# Altium PCB PCB1.PcbDoc (part 1 of 4) (continued)
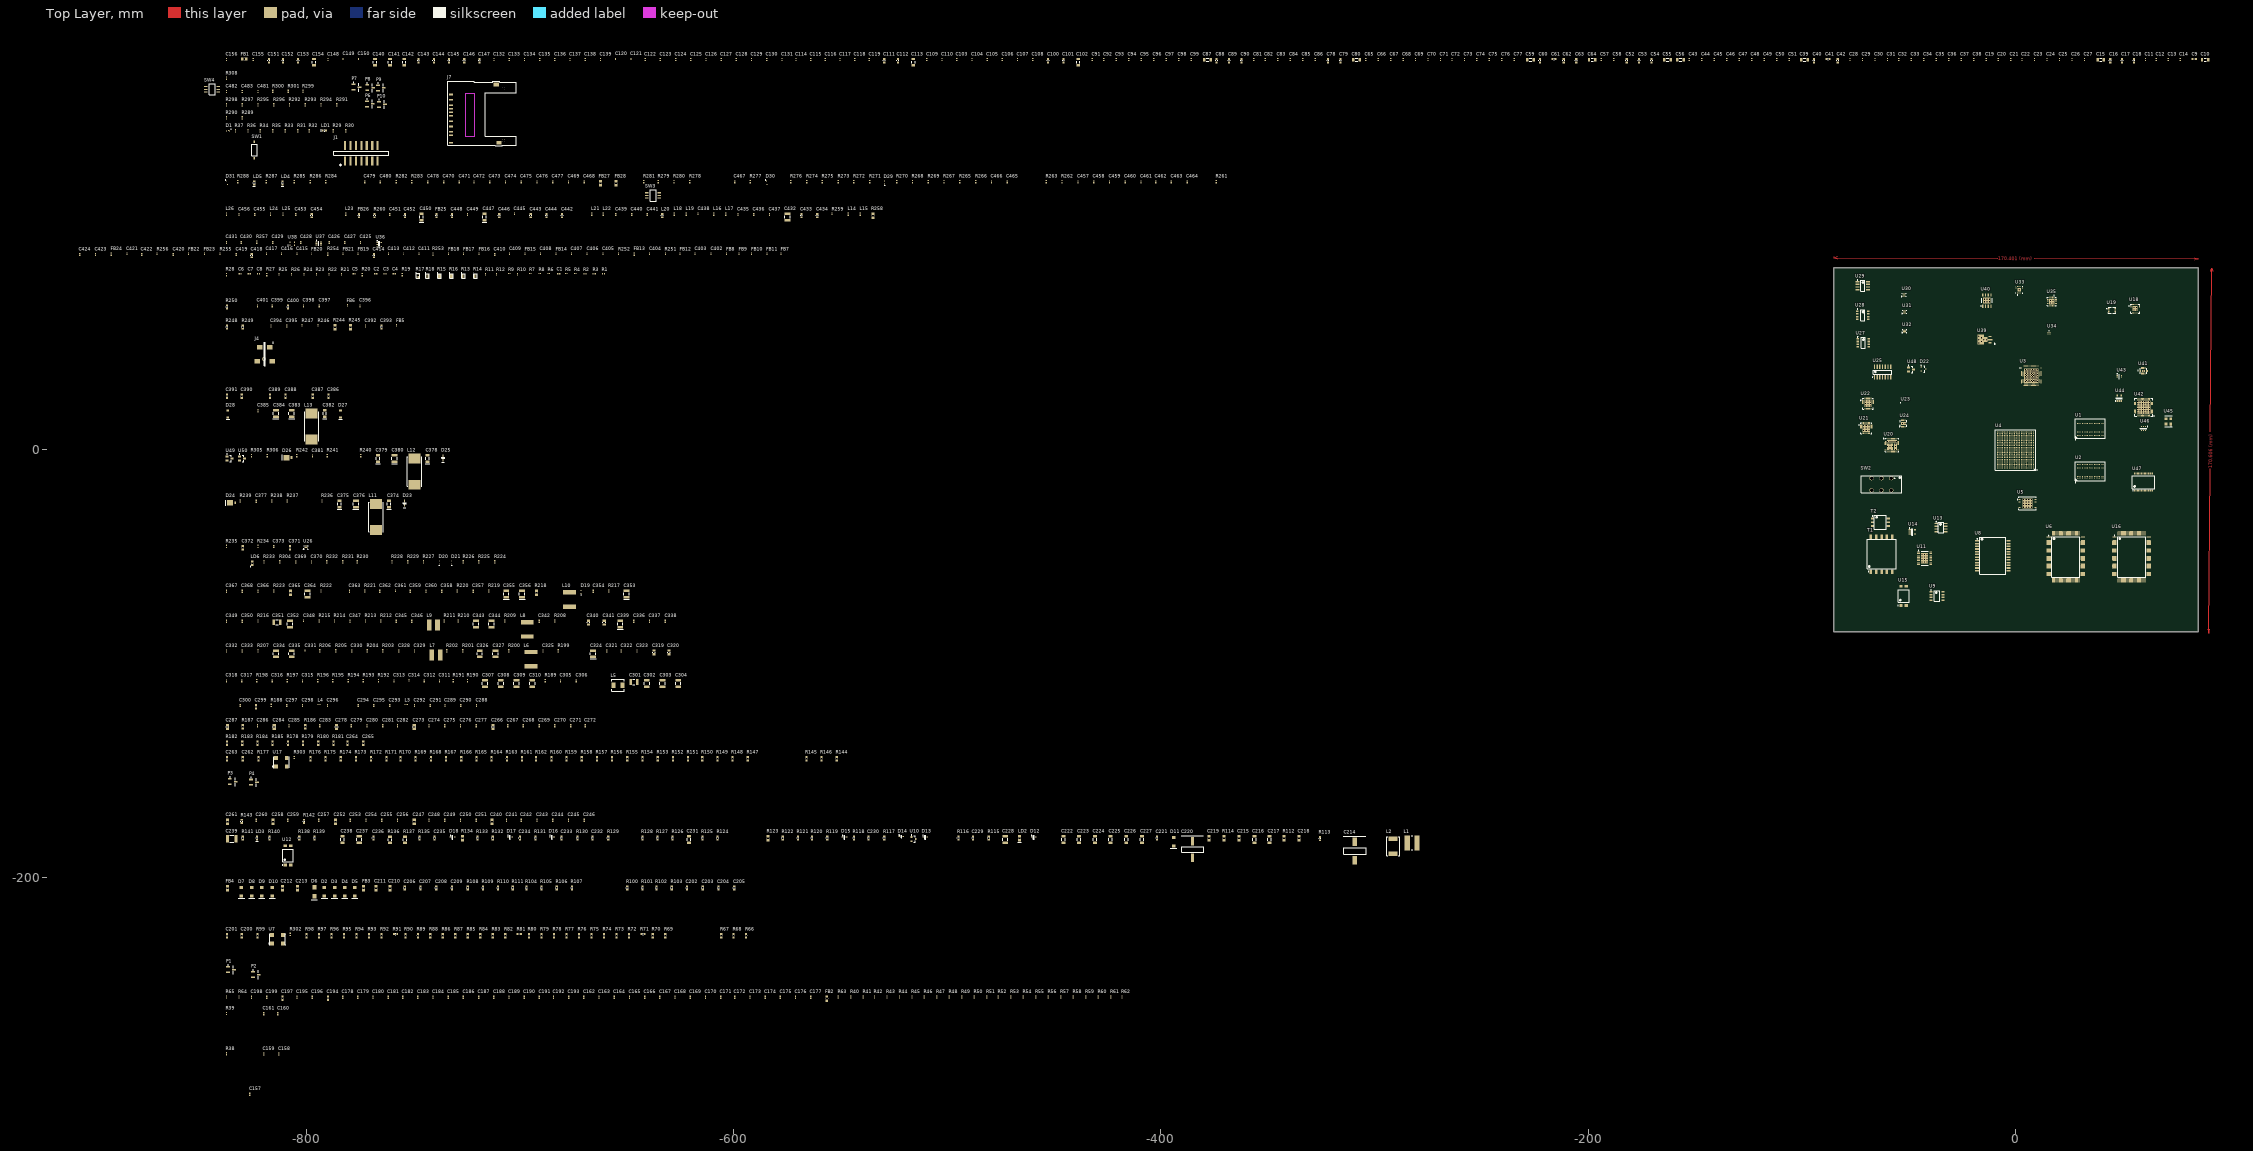
[diagram p0: Top Layer view]
## Components (designator, comment, footprint, x,y, rotation, side; value= is the part's Value field where it differs from the comment) (continued)
C55 "CAP_1206" CAPC1206(3216)100_N -162.875,182.623 r0 top
C56 "CAP_1206" CAPC1206(3216)100_N -156.779,182.623 r0 top
C57 "CAP_0402" CAPC0402(1005)60_N -193.863,182.75 r90 top
C58 "CAP_0402" CAPC0402(1005)60_N -188.021,182.75 r90 top
C59 "CAP_1206" CAPC1206(3216)100_N -227.01,182.623 r0 top
C60 "CAP_0603" CAPC0603(1608)100_N -222.565,182.242 r90 top
C61 "CAP_0603" CAPC0603(1608)100_N -215.961,183.004 r0 top
C62 "CAP_0603" CAPC0603(1608)100_N -211.389,182.242 r90 top
C63 "CAP_0603" CAPC0603(1608)100_N -205.547,182.242 r90 top
C64 "CAP_1206" CAPC1206(3216)100_N -198.054,182.623 r0 top
C65 "CAP_0402" CAPC0402(1005)60_N -304.099,182.75 r90 top
C66 "CAP_0402" CAPC0402(1005)60_N -298.257,182.75 r90 top
C67 "CAP_0402" CAPC0402(1005)60_N -292.415,182.75 r90 top
C68 "CAP_0402" CAPC0402(1005)60_N -286.573,182.75 r90 top
C69 "CAP_0402" CAPC0402(1005)60_N -280.731,182.75 r90 top
C70 "CAP_0402" CAPC0402(1005)60_N -274.889,182.75 r90 top
C71 "CAP_0402" CAPC0402(1005)60_N -269.047,182.75 r90 top
C72 "CAP_0402" CAPC0402(1005)60_N -263.713,182.75 r90 top
C73 "CAP_0402" CAPC0402(1005)60_N -257.871,182.75 r90 top
C74 "CAP_0402" CAPC0402(1005)60_N -252.029,182.75 r90 top
C75 "CAP_0402" CAPC0402(1005)60_N -246.187,182.75 r90 top
C76 "CAP_0402" CAPC0402(1005)60_N -240.345,182.75 r90 top
C77 "CAP_0402" CAPC0402(1005)60_N -234.503,182.75 r90 top
C78 "CAP_0603" CAPC0603(1608)100_N -321.752,182.242 r90 top
C79 "CAP_0603" CAPC0603(1608)100_N -315.91,182.242 r90 top
C80 "CAP_1206" CAPC1206(3216)100_N -308.417,182.623 r0 top
C81 "CAP_0402" CAPC0402(1005)60_N -356.423,182.75 r90 top
C82 "CAP_0402" CAPC0402(1005)60_N -351.089,182.75 r90 top
C83 "CAP_0402" CAPC0402(1005)60_N -345.247,182.75 r90 top
C84 "CAP_0402" CAPC0402(1005)60_N -339.405,182.75 r90 top
C85 "CAP_0402" CAPC0402(1005)60_N -333.563,182.75 r90 top
C86 "CAP_0402" CAPC0402(1005)60_N -327.721,182.75 r90 top
C87 "CAP_1206" CAPC1206(3216)100_N -378.14,182.623 r0 top
C88 "CAP_0603" CAPC0603(1608)100_N -373.822,182.242 r90 top
C89 "CAP_0603" CAPC0603(1608)100_N -367.98,182.242 r90 top
C90 "CAP_0603" CAPC0603(1608)100_N -362.138,182.242 r90 top
C91 "CAP_0402" CAPC0402(1005)60_N -431.988,182.75 r90 top
C92 "CAP_0402" CAPC0402(1005)60_N -426.654,182.75 r90 top
C93 "CAP_0402" CAPC0402(1005)60_N -420.812,182.75 r90 top
C94 "CAP_0402" CAPC0402(1005)60_N -414.97,182.75 r90 top
C95 "CAP_0402" CAPC0402(1005)60_N -409.128,182.75 r90 top
C96 "CAP_0402" CAPC0402(1005)60_N -403.286,182.75 r90 top
C97 "CAP_0402" CAPC0402(1005)60_N -397.444,182.75 r90 top
C98 "CAP_0402" CAPC0402(1005)60_N -391.602,182.75 r90 top
C99 "CAP_0402" CAPC0402(1005)60_N -385.76,182.75 r90 top
C100 "CAP_0603" CAPC0603(1608)100_N -452.689,182.242 r90 top
C101 "CAP_0603" CAPC0603(1608)100_N -445.577,182.242 r90 top
C102 "CAP_1206" CAPC1206(3216)100_N -438.592,181.48 r90 top
C103 "CAP_0402" CAPC0402(1005)60_N -495.488,182.75 r90 top
C104 "CAP_0402" CAPC0402(1005)60_N -488.376,182.75 r90 top
C105 "CAP_0402" CAPC0402(1005)60_N -481.264,182.75 r90 top
C106 "CAP_0402" CAPC0402(1005)60_N -474.152,182.75 r90 top
C107 "CAP_0402" CAPC0402(1005)60_N -467.04,182.75 r90 top
C108 "CAP_0402" CAPC0402(1005)60_N -459.928,182.75 r90 top
C109 "CAP_0402" CAPC0402(1005)60_N -509.458,182.75 r90 top
C110 "CAP_0402" CAPC0402(1005)60_N -502.346,182.75 r90 top
C111 "CAP_0603" CAPC0603(1608)100_N -529.397,182.242 r90 top
C112 "CAP_0603" CAPC0603(1608)100_N -523.047,182.242 r90 top
C113 "CAP_1206" CAPC1206(3216)100_N -515.808,181.48 r90 top
C114 "CAP_0402" CAPC0402(1005)60_N -570.672,182.75 r90 top
C115 "CAP_0402" CAPC0402(1005)60_N -563.814,182.75 r90 top
C116 "CAP_0402" CAPC0402(1005)60_N -556.956,182.75 r90 top
C117 "CAP_0402" CAPC0402(1005)60_N -550.098,182.75 r90 top
C118 "CAP_0402" CAPC0402(1005)60_N -543.24,182.75 r90 top
C119 "CAP_0402" CAPC0402(1005)60_N -536.382,182.75 r90 top
C120 "CAP_0402" CAPC0201(0603)33_N -655.127,183.004 r90 top
C121 "CAP_0402" CAPC0201(0603)33_N -648.015,183.004 r90 top
C122 "CAP_0402" CAPC0402(1005)60_N -641.284,182.75 r90 top
C123 "CAP_0402" CAPC0402(1005)60_N -634.172,182.75 r90 top
C124 "CAP_0402" CAPC0402(1005)60_N -627.06,182.75 r90 top
C125 "CAP_0402" CAPC0402(1005)60_N -619.948,182.75 r90 top
C126 "CAP_0402" CAPC0402(1005)60_N -612.836,182.75 r90 top
C127 "CAP_0402" CAPC0402(1005)60_N -605.724,182.75 r90 top
C128 "CAP_0402" CAPC0402(1005)60_N -598.612,182.75 r90 top
C129 "CAP_0402" CAPC0402(1005)60_N -591.5,182.75 r90 top
C130 "CAP_0402" CAPC0402(1005)60_N -584.388,182.75 r90 top
C131 "CAP_0402" CAPC0402(1005)60_N -577.276,182.75 r90 top
C132 "CAP_0402" CAPC0402(1005)60_N -712.023,182.75 r90 top
C133 "CAP_0402" CAPC0402(1005)60_N -704.911,182.75 r90 top
C134 "CAP_0402" CAPC0402(1005)60_N -697.799,182.75 r90 top
C135 "CAP_0402" CAPC0402(1005)60_N -690.687,182.75 r90 top
C136 "CAP_0402" CAPC0402(1005)60_N -683.575,182.75 r90 top
C137 "CAP_0402" CAPC0402(1005)60_N -676.463,182.75 r90 top
C138 "CAP_0402" CAPC0402(1005)60_N -669.351,182.75 r90 top
C139 "CAP_0402" CAPC0402(1005)60_N -662.239,182.75 r90 top
C140 "CAP_1206" CAPC1206(3216)100_N -767.776,181.48 r90 top
C141 "CAP_1206" CAPC1206(3216)100_N -760.664,181.48 r90 top
C142 "CAP_1206" CAPC1206(3216)100_N -754.06,181.48 r90 top
C143 "CAP_0603" CAPC0603(1608)100_N -747.329,182.242 r90 top
C144 "CAP_0603" CAPC0603(1608)100_N -740.217,182.242 r90 top
C145 "CAP_0603" CAPC0603(1608)100_N -733.105,182.242 r90 top
C146 "CAP_0603" CAPC0603(1608)100_N -725.993,182.242 r90 top
C147 "CAP_0603" CAPC0603(1608)100_N -718.881,182.242 r90 top
C148 "CAP_0402" CAPC0402(1005)60_N -789.747,182.75 r90 top
C149 "CAP_0402" CAPC0201(0603)33_N -782.635,183.004 r90 top
C150 "CAP_0402" CAPC0201(0603)33_N -775.523,183.004 r90 top
C151 "CAP_0603" CAPC0603(1608)100_N -817.433,182.242 r90 top
C152 "CAP_0603" CAPC0603(1608)100_N -810.829,182.242 r90 top
C153 "CAP_0603" CAPC0603(1608)100_N -803.717,182.242 r90 top
C154 "CAP_1206" CAPC1206(3216)100_N -796.224,181.48 r90 top
C155 "CAP_0402" CAPC0402(1005)60_N -824.799,182.75 r90 top
C156 "CAP_0603" CAPC0402(1005)60_N -837.245,182.75 r90 top
C157 "CAP_0402" CAPC0402(1005)60_N -826.323,-301.501 r90 top
C158 "CAP_0402" CAPC0402(1005)60_N -812.734,-282.705 r90 top
C159 "CAP_0402" CAPC0402(1005)60_N -819.846,-282.705 r90 top
C160 "CAP_0402" CAPC0402(1005)60_N -813.242,-263.909 r90 top
C161 "CAP_0402" CAPC0402(1005)60_N -819.846,-263.909 r90 top
C162 "CAP_0402" CAPC0402(1005)60_N -669.986,-256.162 r90 top
C163 "CAP_0402" CAPC0402(1005)60_N -662.874,-256.162 r90 top
C164 "CAP_0402" CAPC0402(1005)60_N -655.762,-256.162 r90 top
C165 "CAP_0402" CAPC0402(1005)60_N -648.65,-256.162 r90 top
C166 "CAP_0402" CAPC0402(1005)60_N -641.538,-256.162 r90 top
C167 "CAP_0402" CAPC0402(1005)60_N -634.426,-256.162 r90 top
C168 "CAP_0402" CAPC0402(1005)60_N -627.314,-256.162 r90 top
C169 "CAP_0402" CAPC0402(1005)60_N -620.202,-256.162 r90 top
C170 "CAP_0402" CAPC0402(1005)60_N -613.09,-256.162 r90 top
C171 "CAP_0402" CAPC0402(1005)60_N -605.978,-256.162 r90 top
C172 "CAP_0402" CAPC0402(1005)60_N -599.374,-256.162 r90 top
C173 "CAP_0402" CAPC0402(1005)60_N -592.262,-256.162 r90 top
C174 "CAP_0402" CAPC0402(1005)60_N -585.15,-256.162 r90 top
C175 "CAP_0402" CAPC0402(1005)60_N -578.038,-256.162 r90 top
C176 "CAP_0402" CAPC0402(1005)60_N -570.926,-256.162 r90 top
C177 "CAP_0402" CAPC0402(1005)60_N -563.814,-256.162 r90 top
C178 "CAP_0402" CAPC0402(1005)60_N -782.889,-256.162 r90 top
C179 "CAP_0402" CAPC0402(1005)60_N -775.777,-256.162 r90 top
C180 "CAP_0402" CAPC0402(1005)60_N -768.665,-256.162 r90 top
C181 "CAP_0402" CAPC0402(1005)60_N -761.553,-256.162 r90 top
C182 "CAP_0402" CAPC0402(1005)60_N -754.822,-256.162 r90 top
C183 "CAP_0402" CAPC0402(1005)60_N -747.71,-256.162 r90 top
C184 "CAP_0402" CAPC0402(1005)60_N -740.598,-256.162 r90 top
C185 "CAP_0402" CAPC0402(1005)60_N -733.486,-256.162 r90 top
C186 "CAP_0402" CAPC0402(1005)60_N -726.374,-256.162 r90 top
C187 "CAP_0402" CAPC0402(1005)60_N -719.262,-256.162 r90 top
C188 "CAP_0402" CAPC0402(1005)60_N -712.15,-256.162 r90 top
C189 "CAP_0402" CAPC0402(1005)60_N -705.038,-256.162 r90 top
C190 "CAP_0402" CAPC0402(1005)60_N -697.926,-256.162 r90 top
C191 "CAP_0402" CAPC0402(1005)60_N -690.814,-256.162 r90 top
C192 "CAP_0402" CAPC0402(1005)60_N -684.21,-256.162 r90 top
C193 "CAP_0402" CAPC0402(1005)60_N -677.098,-256.162 r90 top
C194 "CAP_0603" CAPC0603(1608)100_N -789.747,-256.67 r90 top
C195 "CAP_0402" CAPC0402(1005)60_N -804.225,-256.162 r90 top
C196 "CAP_0402" CAPC0402(1005)60_N -797.113,-256.162 r90 top
C197 "CAP_0603" CAPC0603(1608)100_N -811.083,-256.67 r90 top
C198 "CAP_0402" CAPC0402(1005)60_N -825.561,-256.162 r90 top
C199 "CAP_0402" CAPC0402(1005)60_N -818.449,-256.162 r90 top
C200 "CAP_0603" CAPC0603(1608)100_N -830.133,-227.333 r90 top
C201 "CAP_0603" CAPC0603(1608)100_N -836.991,-227.333 r90 top
C202 "CAP_0603" CAPC0603(1608)100_N -621.726,-204.981 r90 top
C203 "CAP_0603" CAPC0603(1608)100_N -614.36,-204.981 r90 top
C204 "CAP_0603" CAPC0603(1608)100_N -606.994,-204.981 r90 top
C205 "CAP_0603" CAPC0603(1608)100_N -599.628,-204.981 r90 top
C206 "CAP_0603" CAPC0603(1608)100_N -753.806,-204.981 r90 top
C207 "CAP_0603" CAPC0603(1608)100_N -746.44,-204.981 r90 top
C208 "CAP_0603" CAPC0603(1608)100_N -739.074,-204.981 r90 top
C209 "CAP_0603" CAPC0603(1608)100_N -731.708,-204.981 r90 top
C210 "CAP_0805" CAPC0805(2012)75_N -760.664,-205.108 r90 top
C211 "CAP_0805" CAPC0805(2012)75_N -767.268,-205.108 r90 top
C212 "CAP_0805" CAPC0805(2012)75_N -811.083,-205.108 r90 top
C213 "CAP_0805" CAPC0805(2012)75_N -803.971,-205.108 r90 top
C214 "Cap Pol1" CapPol_Al_EEE-2AA330P -309.15,-187.675 r90 top
C215 "CAP_0805" CAPC0805(2012)75_N -363.408,-181.74 r90 top
C216 "CAP_1206" CAPC1206(3216)100_N -356.169,-182.375 r90 top
C217 "CAP_1206" CAPC1206(3216)100_N -349.057,-182.375 r90 top
C218 "CAP_0805" CAPC0805(2012)75_N -335.214,-181.74 r90 top
C219 "CAP_0805" CAPC0805(2012)75_N -377.378,-181.74 r90 top
C220 "Cap Pol1" CapPol_Al_PCV1D331MCL2GS -385.125,-186.947 r90 top
C221 "CAP_0603" CAPC0603(1608)100_N -401.762,-181.613 r90 top
C222 "CAP_1206" CAPC1206(3216)100_N -445.577,-182.375 r90 top
C223 "CAP_1206" CAPC1206(3216)100_N -438.211,-182.375 r90 top
C224 "CAP_1206" CAPC1206(3216)100_N -430.845,-182.375 r90 top
C225 "CAP_1206" CAPC1206(3216)100_N -423.479,-182.375 r90 top
C226 "CAP_1206" CAPC1206(3216)100_N -416.113,-182.375 r90 top
C227 "CAP_1206" CAPC1206(3216)100_N -408.747,-182.375 r90 top
C228 "CAP_1210" CAPC1210(3225)100_N -472.755,-182.375 r90 top
C229 "CAP_0603" CAPC0603(1608)100_N -487.868,-181.613 r90 top
C230 "CAP_0603" CAPC0603(1608)100_N -536.763,-181.613 r90 top
C231 "CAP_1206" CAPC1206(3216)100_N -620.837,-182.375 r90 top
C232 "CAP_0603" CAPC0603(1608)100_N -665.922,-181.613 r90 top
C233 "CAP_0603" CAPC0603(1608)100_N -680.4,-181.613 r90 top
C234 "CAP_0603" CAPC0603(1608)100_N -699.958,-181.613 r90 top
C235 "CAP_0603" CAPC0603(1608)100_N -739.836,-181.613 r90 top
C236 "CAP_0603" CAPC0603(1608)100_N -768.538,-181.613 r90 top
C237 "CAP_1210" CAPC1210(3225)100_N -775.142,-182.375 r90 top
C238 "CAP_1206" CAPC1206(3216)100_N -782.889,-182.375 r90 top
C239 "CAP_1812" CAPC1812(4532)250_N -834.832,-181.994 r0 top
C240 "CAP_0805" CAPC0805(2012)75_N -713.039,-173.993 r90 top
C241 "CAP_0402" CAPC0402(1005)60_N -706.181,-173.358 r90 top
C242 "CAP_0402" CAPC0402(1005)60_N -699.323,-173.358 r90 top
C243 "CAP_0402" CAPC0402(1005)60_N -691.957,-173.358 r90 top
C244 "CAP_0402" CAPC0402(1005)60_N -684.591,-173.358 r90 top
C245 "CAP_0402" CAPC0402(1005)60_N -677.225,-173.358 r90 top
C246 "CAP_0402" CAPC0402(1005)60_N -669.859,-173.358 r90 top
C247 "CAP_0805" CAPC0805(2012)75_N -749.361,-173.993 r90 top
C248 "CAP_0402" CAPC0402(1005)60_N -742.503,-173.358 r90 top
C249 "CAP_0402" CAPC0402(1005)60_N -735.137,-173.358 r90 top
C250 "CAP_0402" CAPC0402(1005)60_N -727.771,-173.358 r90 top
C251 "CAP_0402" CAPC0402(1005)60_N -720.405,-173.358 r90 top
C252 "CAP_0805" CAPC0805(2012)75_N -786.191,-173.993 r90 top
C253 "CAP_0402" CAPC0402(1005)60_N -779.333,-173.358 r90 top
C254 "CAP_0402" CAPC0402(1005)60_N -771.967,-173.358 r90 top
C255 "CAP_0402" CAPC0402(1005)60_N -764.601,-173.358 r90 top
C256 "CAP_0402" CAPC0402(1005)60_N -757.235,-173.358 r90 top
C257 "CAP_0402" CAPC0402(1005)60_N -794.065,-173.358 r90 top
C258 "CAP_0805" CAPC0805(2012)75_N -815.401,-173.993 r90 top
C259 "CAP_0402" CAPC0402(1005)60_N -808.543,-173.358 r90 top
C260 "CAP_0402" CAPC0402(1005)60_N -823.275,-173.358 r90 top
C261 "CAP_0805" CAPC0805(2012)75_N -836.737,-173.993 r90 top
C262 "CAP_0603" CAPC0603(1608)100_N -829.625,-144.529 r90 top
C263 "CAP_0603" CAPC0603(1608)100_N -836.991,-144.529 r90 top
C264 "CAP_0603" CAPC0603(1608)100_N -780.603,-137.29 r90 top
C265 "CAP_0603" CAPC0603(1608)100_N -773.237,-137.29 r90 top
C266 "CAP_0805" CAPC0805(2012)75_N -712.531,-129.67 r90 top
C267 "CAP_0402" CAPC0402(1005)60_N -705.673,-129.035 r90 top
C268 "CAP_0402" CAPC0402(1005)60_N -698.307,-129.035 r90 top
C269 "CAP_0402" CAPC0402(1005)60_N -690.941,-129.035 r90 top
C270 "CAP_0402" CAPC0402(1005)60_N -683.575,-129.035 r90 top
C271 "CAP_0402" CAPC0402(1005)60_N -676.209,-129.035 r90 top
C272 "CAP_0402" CAPC0402(1005)60_N -669.351,-129.035 r90 top
C273 "CAP_0805" CAPC0805(2012)75_N -749.361,-129.67 r90 top
C274 "CAP_0402" CAPC0402(1005)60_N -742.503,-129.035 r90 top
C275 "CAP_0402" CAPC0402(1005)60_N -735.137,-129.035 r90 top
C276 "CAP_0402" CAPC0402(1005)60_N -727.771,-129.035 r90 top
C277 "CAP_0402" CAPC0402(1005)60_N -720.405,-129.035 r90 top
C278 "CAP_0805" CAPC0805(2012)75_N -785.683,-129.67 r90 top
C279 "CAP_0402" CAPC0402(1005)60_N -778.825,-129.035 r90 top
C280 "CAP_0402" CAPC0402(1005)60_N -771.459,-129.035 r90 top
C281 "CAP_0402" CAPC0402(1005)60_N -764.093,-129.035 r90 top
C282 "CAP_0402" CAPC0402(1005)60_N -757.235,-129.035 r90 top
C283 "CAP_0402" CAPC0402(1005)60_N -793.557,-129.035 r90 top
C284 "CAP_0805" CAPC0805(2012)75_N -814.893,-129.67 r90 top
C285 "CAP_0402" CAPC0402(1005)60_N -808.035,-129.035 r90 top
C286 "CAP_0402" CAPC0402(1005)60_N -822.767,-129.035 r90 top
C287 "CAP_0805" CAPC0805(2012)75_N -836.737,-129.67 r90 top
C288 "CAP_0402" CAPC0402(1005)60_N -720.278,-119.637 r90 top
C289 "CAP_0402" CAPC0402(1005)60_N -735.01,-119.637 r90 top
C290 "CAP_0402" CAPC0402(1005)60_N -727.644,-119.637 r90 top
C291 "CAP_0402" CAPC0402(1005)60_N -741.868,-119.637 r90 top
C292 "CAP_0402" CAPC0402(1005)60_N -749.234,-119.637 r90 top
C293 "CAP_0402" CAPC0402(1005)60_N -760.918,-119.637 r90 top
C294 "CAP_0402" CAPC0402(1005)60_N -775.65,-119.637 r90 top
C295 "CAP_0402" CAPC0402(1005)60_N -768.284,-119.637 r90 top
C296 "CAP_0402" CAPC0402(1005)60_N -790.001,-119.637 r90 top
C297 "CAP_0402" CAPC0402(1005)60_N -809.051,-119.637 r90 top
C298 "CAP_0402" CAPC0402(1005)60_N -801.685,-119.637 r90 top
C299 "CAP_0603" CAPC0603(1608)100_N -823.402,-120.145 r90 top
C300 "CAP_0402" CAPC0402(1005)60_N -830.895,-119.637 r90 top
C301 "CAP_1210" CAPC1210(3225)100_N -646.618,-108.588 r0 top
C302 "CAP_1210" CAPC1210(3225)100_N -640.522,-109.35 r90 top
C303 "CAP_1210" CAPC1210(3225)100_N -633.156,-109.35 r90 top
C304 "CAP_1210" CAPC1210(3225)100_N -625.79,-109.35 r90 top
C305 "CAP_0402" CAPC0402(1005)60_N -680.908,-108.08 r90 top
C306 "CAP_0402" CAPC0402(1005)60_N -673.542,-108.08 r90 top
C307 "CAP_1210" CAPC1210(3225)100_N -716.214,-109.35 r90 top
C308 "CAP_1210" CAPC1210(3225)100_N -708.848,-109.35 r90 top
C309 "CAP_1210" CAPC1210(3225)100_N -701.482,-109.35 r90 top
C310 "CAP_1210" CAPC1210(3225)100_N -694.116,-109.35 r90 top
C311 "CAP_0402" CAPC0402(1005)60_N -737.55,-108.08 r90 top
C312 "CAP_0402" CAPC0402(1005)60_N -744.662,-108.08 r90 top
C313 "CAP_0402" CAPC0402(1005)60_N -758.886,-108.08 r90 top
C314 "CAP_0201" CAPC0201(0603)33_N -751.901,-107.826 r90 top
C315 "CAP_0402" CAPC0402(1005)60_N -801.685,-108.08 r90 top
C316 "CAP_0402" CAPC0402(1005)60_N -815.909,-108.08 r90 top
C317 "CAP_0402" CAPC0402(1005)60_N -830.133,-108.08 r90 top
C318 "CAP_0402" CAPC0402(1005)60_N -837.245,-108.08 r90 top
C319 "CAP_0805" CAPC0805(2012)75_N -637.22,-94.745 r90 top
C320 "CAP_0805" CAPC0805(2012)75_N -630.108,-94.745 r90 top
C321 "CAP_0402" CAPC0402(1005)60_N -659.318,-94.11 r90 top
C322 "CAP_0402" CAPC0402(1005)60_N -652.46,-94.11 r90 top
C323 "CAP_0402" CAPC0402(1005)60_N -645.094,-94.11 r90 top
C324 "Cap Pol1" Polarized_CAPC1210(3225) -665.668,-95.38 r90 top
C325 "CAP_0402" CAPC0402(1005)60_N -689.163,-94.11 r90 top
C326 "CAP_1210" CAPC1210(3225)100_N -718.754,-95.38 r90 top
C327 "CAP_1210" CAPC1210(3225)100_N -711.388,-95.38 r90 top
C328 "CAP_0402" CAPC0402(1005)60_N -756.6,-94.11 r90 top
C329 "CAP_0402" CAPC0402(1005)60_N -749.234,-94.11 r90 top
C330 "CAP_0402" CAPC0402(1005)60_N -778.698,-94.11 r90 top
C331 "CAP_0201" CAPC0201(0603)33_N -800.415,-93.856 r90 top
C332 "CAP_0402" CAPC0402(1005)60_N -837.245,-94.11 r90 top
C333 "CAP_0402" CAPC0402(1005)60_N -829.879,-94.11 r90 top
C334 "CAP_1210" CAPC1210(3225)100_N -814.131,-95.38 r90 top
C335 "CAP_1210" CAPC1210(3225)100_N -806.765,-95.38 r90 top
C336 "CAP_0402" CAPC0402(1005)60_N -646.618,-80.14 r90 top
C337 "CAP_0402" CAPC0402(1005)60_N -639.252,-80.14 r90 top
C338 "CAP_0402" CAPC0402(1005)60_N -631.886,-80.14 r90 top
C339 "Cap Pol1" Polarized_CAPC1210(3225) -652.968,-81.41 r90 top
C340 "CAP_0805" CAPC0805(2012)75_N -667.827,-80.775 r90 top
C341 "CAP_0805" CAPC0805(2012)75_N -660.461,-80.775 r90 top
C342 "CAP_0402" CAPC0402(1005)60_N -690.941,-80.14 r90 top
C343 "CAP_1210" CAPC1210(3225)100_N -720.532,-81.41 r90 top
C344 "CAP_1210" CAPC1210(3225)100_N -713.166,-81.41 r90 top
C345 "CAP_0402" CAPC0402(1005)60_N -757.87,-80.14 r90 top
C346 "CAP_0402" CAPC0402(1005)60_N -750.504,-80.14 r90 top
C347 "CAP_0402" CAPC0402(1005)60_N -779.46,-80.14 r90 top
C348 "CAP_0201" CAPC0201(0603)33_N -801.177,-79.886 r90 top
C349 "CAP_0402" CAPC0402(1005)60_N -837.245,-80.14 r90 top
C350 "CAP_0402" CAPC0402(1005)60_N -829.879,-80.14 r90 top
C351 "CAP_1210" CAPC1210(3225)100_N -813.623,-80.648 r0 top
C352 "CAP_1210" CAPC1210(3225)100_N -807.527,-81.41 r90 top
C353 "Cap Pol1" Polarized_CAPC1210(3225) -650.047,-67.44 r90 top
C354 "CAP_0402" CAPC0402(1005)60_N -665.541,-66.17 r90 top
C355 "Cap Pol1" Polarized_CAPC1210(3225) -706.308,-67.44 r90 top
C356 "Cap Pol1" Polarized_CAPC1210(3225) -698.942,-67.44 r90 top
C357 "CAP_0402" CAPC0402(1005)60_N -721.802,-66.17 r90 top
C358 "CAP_0402" CAPC0402(1005)60_N -736.534,-66.17 r90 top
C359 "CAP_0402" CAPC0402(1005)60_N -751.266,-66.17 r90 top
C360 "CAP_0402" CAPC0402(1005)60_N -743.9,-66.17 r90 top
C361 "CAP_0201" CAPC0201(0603)33_N -758.251,-65.916 r90 top
C362 "CAP_0402" CAPC0402(1005)60_N -765.49,-66.17 r90 top
C363 "CAP_0402" CAPC0402(1005)60_N -779.714,-66.17 r90 top
C364 "CAP_1210" CAPC1210(3225)100_N -799.399,-67.44 r90 top
C365 "CAP_0805" CAPC0805(2012)75_N -807.273,-66.805 r90 top
C366 "CAP_0402" CAPC0402(1005)60_N -822.513,-66.17 r90 top
C367 "CAP_0402" CAPC0402(1005)60_N -837.245,-66.17 r90 top
C368 "CAP_0402" CAPC0402(1005)60_N -829.879,-66.17 r90 top
C369 "CAP_0402" CAPC0402(1005)60_N -804.86,-52.454 r90 top
C370 "CAP_0402" CAPC0402(1005)60_N -797.494,-52.454 r90 top
C371 "CAP_0603" CAPC0603(1608)100_N -807.527,-45.723 r90 top
C372 "CAP_0603" CAPC0603(1608)100_N -829.625,-45.723 r90 top
C373 "CAP_0402" CAPC0402(1005)60_N -815.147,-45.215 r90 top
C374 "Cap Pol1" Polarized_CAPC1206(3216) -761.172,-25.276 r90 top
C375 "Cap Pol1" Polarized_CAPC1206(3216) -784.413,-25.276 r90 top
C376 "Cap Pol1" Polarized_CAPC1210(3225) -776.666,-25.276 r90 top
C377 "CAP_0402" CAPC0402(1005)60_N -823.402,-24.006 r90 top
C378 "Cap Pol1" Polarized_CAPC1206(3216) -743.138,-4.067 r90 top
C379 "Cap Pol1" Polarized_CAPC1206(3216) -766.379,-4.067 r90 top
C380 "Cap Pol1" Polarized_CAPC1210(3225) -758.632,-4.067 r90 top
C381 "CAP_0402" CAPC0402(1005)60_N -796.986,-2.797 r90 top
C382 "Cap Pol1" Polarized_CAPC1206(3216) -791.271,17.142 r90 top
C383 "Cap Pol1" Polarized_CAPC1210(3225) -806.765,17.142 r90 top
C384 "Cap Pol1" Polarized_CAPC1210(3225) -814.131,17.142 r90 top
C385 "CAP_0402" CAPC0402(1005)60_N -822.513,18.412 r90 top
C386 "CAP_0603" CAPC0603(1608)100_N -789.493,25.143 r90 top
C387 "CAP_0603" CAPC0603(1608)100_N -796.859,25.143 r90 top
C388 "CAP_0603" CAPC0603(1608)100_N -809.559,25.143 r90 top
C389 "CAP_0603" CAPC0603(1608)100_N -816.925,25.143 r90 top
C390 "CAP_0603" CAPC0603(1608)100_N -830.133,25.143 r90 top
C391 "CAP_0603" CAPC0603(1608)100_N -836.991,25.143 r90 top
C392 "CAP_0402" CAPC0402(1005)60_N -772.221,58.036 r90 top
C393 "CAP_0603" CAPC0603(1608)100_N -764.728,57.528 r90 top
C394 "CAP_0402" CAPC0402(1005)60_N -816.417,58.036 r90 top
C395 "CAP_0402" CAPC0402(1005)60_N -809.051,58.036 r90 top
C396 "CAP_0402" CAPC0402(1005)60_N -774.761,67.434 r90 top
C397 "CAP_0402" CAPC0402(1005)60_N -793.811,67.434 r90 top
C398 "CAP_0402" CAPC0402(1005)60_N -801.177,67.434 r90 top
C399 "CAP_0402" CAPC0402(1005)60_N -815.909,67.434 r90 top
C400 "CAP_0603" CAPC0603(1608)100_N -808.416,66.926 r90 top
C401 "CAP_0402" CAPC0402(1005)60_N -822.767,67.434 r90 top
C402 "CAP_0201" CAPC0201(0603)33_N -610.407,91.765 r90 top
C403 "CAP_0201" CAPC0201(0603)33_N -617.9,91.765 r90 top
C404 "CAP_0201" CAPC0201(0603)33_N -639.236,91.765 r90 top
C405 "CAP_0201" CAPC0201(0603)33_N -661.08,91.765 r90 top
C406 "CAP_0201" CAPC0201(0603)33_N -668.446,91.765 r90 top
C407 "CAP_0201" CAPC0201(0603)33_N -675.812,91.765 r90 top
C408 "CAP_0201" CAPC0201(0603)33_N -690.29,91.765 r90 top
C409 "CAP_0201" CAPC0201(0603)33_N -704.768,91.765 r90 top
C410 "CAP_0402" CAPC0402(1005)60_N -711.753,91.511 r90 top
C411 "CAP_0201" CAPC0201(0603)33_N -747.186,91.765 r90 top
C412 "CAP_0201" CAPC0201(0603)33_N -754.298,91.765 r90 top
C413 "CAP_0201" CAPC0201(0603)33_N -761.41,91.765 r90 top
C414 "CAP_0603" CAPC0603(1608)100_N -768.268,91.003 r90 top
C415 "CAP_0201" CAPC0201(0603)33_N -804.336,91.765 r90 top
C416 "CAP_0201" CAPC0201(0603)33_N -811.448,91.765 r90 top
C417 "CAP_0201" CAPC0201(0603)33_N -818.56,91.765 r90 top
C418 "CAP_0603" CAPC0603(1608)100_N -825.418,91.003 r90 top
C419 "CAP_0402" CAPC0402(1005)60_N -832.657,91.511 r90 top
C420 "CAP_0402" CAPC0402(1005)60_N -862.121,91.511 r90 top
C421 "CAP_0201" CAPC0201(0603)33_N -883.838,91.765 r90 top
C422 "CAP_0402" CAPC0402(1005)60_N -876.98,91.511 r90 top
C423 "CAP_0402" CAPC0402(1005)60_N -898.57,91.511 r90 top
C424 "CAP_0402" CAPC0402(1005)60_N -905.936,91.511 r90 top
C425 "CAP_0402" CAPC0402(1005)60_N -774.507,97.152 r90 top
C426 "CAP_0402" CAPC0402(1005)60_N -789.239,97.152 r90 top
C427 "CAP_0402" CAPC0402(1005)60_N -781.873,97.152 r90 top
C428 "CAP_0402" CAPC0402(1005)60_N -802.447,97.152 r90 top
C429 "CAP_0402" CAPC0402(1005)60_N -815.655,97.152 r90 top
C430 "CAP_0402" CAPC0402(1005)60_N -830.387,97.152 r90 top
C431 "CAP_0402" CAPC0402(1005)60_N -837.245,97.152 r90 top
C432 "CAP_1210" CAPC1210(3225)100_N -574.736,108.963 r90 top
C433 "CAP_0603" CAPC0603(1608)100_N -568.132,109.725 r90 top
C434 "CAP_0603" CAPC0603(1608)100_N -560.766,109.725 r90 top
C435 "CAP_0402" CAPC0402(1005)60_N -597.85,110.233 r90 top
C436 "CAP_0402" CAPC0402(1005)60_N -590.484,110.233 r90 top
C437 "CAP_0402" CAPC0402(1005)60_N -583.118,110.233 r90 top
C438 "CAP_0201" CAPC0201(0603)33_N -616.519,110.487 r90 top
C439 "CAP_0402" CAPC0402(1005)60_N -655,110.233 r90 top
C440 "CAP_0402" CAPC0402(1005)60_N -647.634,110.233 r90 top
C441 "CAP_0402" CAPC0402(1005)60_N -640.268,110.233 r90 top
C442 "CAP_0603" CAPC0603(1608)100_N -680.146,109.725 r90 top
C443 "CAP_0603" CAPC0603(1608)100_N -694.878,109.725 r90 top
C444 "CAP_0603" CAPC0603(1608)100_N -687.512,109.725 r90 top
C445 "CAP_0201" CAPC0201(0603)33_N -702.498,110.487 r90 top
C446 "CAP_0603" CAPC0603(1608)100_N -709.61,109.725 r90 top
C447 "Cap Pol1" Polarized_CAPC1206(3216) -716.468,108.963 r90 top
C448 "CAP_0603" CAPC0603(1608)100_N -731.708,109.725 r90 top
C449 "CAP_0402" CAPC0402(1005)60_N -724.469,110.233 r90 top
C450 "Cap Pol1" Polarized_CAPC1206(3216) -745.932,108.963 r90 top
C451 "CAP_0402" CAPC0402(1005)60_N -760.791,110.233 r90 top
C452 "CAP_0603" CAPC0603(1608)100_N -753.679,109.725 r90 top
C453 "CAP_0402" CAPC0402(1005)60_N -804.86,110.233 r90 top
C454 "CAP_0603" CAPC0603(1608)100_N -797.367,109.725 r90 top
C455 "CAP_0402" CAPC0402(1005)60_N -824.037,110.233 r90 top
C456 "CAP_0402" CAPC0402(1005)60_N -831.403,110.233 r90 top
C457 "CAP_0402" CAPC0402(1005)60_N -438.719,125.473 r90 top
C458 "CAP_0402" CAPC0402(1005)60_N -431.353,125.473 r90 top
C459 "CAP_0402" CAPC0402(1005)60_N -423.987,125.473 r90 top
C460 "CAP_0402" CAPC0402(1005)60_N -416.621,125.473 r90 top
C461 "CAP_0402" CAPC0402(1005)60_N -409.255,125.473 r90 top
C462 "CAP_0402" CAPC0402(1005)60_N -402.397,125.473 r90 top
C463 "CAP_0402" CAPC0402(1005)60_N -395.031,125.473 r90 top
C464 "CAP_0402" CAPC0402(1005)60_N -387.665,125.473 r90 top
C465 "CAP_0402" CAPC0402(1005)60_N -471.866,125.473 r90 top
C466 "CAP_0402" CAPC0402(1005)60_N -479.232,125.473 r90 top
C467 "CAP_0402" CAPC0402(1005)60_N -599.374,125.473 r90 top
C468 "CAP_0402" CAPC0402(1005)60_N -669.859,125.473 r90 top
C469 "CAP_0402" CAPC0402(1005)60_N -677.225,125.473 r90 top
C470 "CAP_0402" CAPC0402(1005)60_N -735.645,125.473 r90 top
C471 "CAP_0402" CAPC0402(1005)60_N -728.279,125.473 r90 top
C472 "CAP_0402" CAPC0402(1005)60_N -721.421,125.473 r90 top
C473 "CAP_0402" CAPC0402(1005)60_N -714.055,125.473 r90 top
C474 "CAP_0402" CAPC0402(1005)60_N -706.689,125.473 r90 top
C475 "CAP_0402" CAPC0402(1005)60_N -699.323,125.473 r90 top
C476 "CAP_0402" CAPC0402(1005)60_N -691.957,125.473 r90 top
C477 "CAP_0402" CAPC0402(1005)60_N -684.591,125.473 r90 top
C478 "CAP_0402" CAPC0402(1005)60_N -743.011,125.473 r90 top
C479 "CAP_0402" CAPC0402(1005)60_N -772.602,125.473 r90 top
C480 "CAP_0402" CAPC0402(1005)60_N -765.236,125.473 r90 top
C481 "CAP_0402" CAPC0402(1005)60_N -822.513,167.764 r90 top
C482 "CAP_0402" CAPC0402(1005)60_N -837.245,167.764 r90 top
C483 "CAP_0402" CAPC0402(1005)60_N -829.879,167.764 r90 top
D1 "QuadESDDiode_TEConnectivity_SESD0802Q4UG" QuadESDDiode_TEConnectivity_SESD0802Q4UG_5-PIN -836.356,149.476 r0 top
D2 "Shottky Diode" SchottlyDiode_STPS2H100A_SMA -791.398,-206.759 r90 top
D3 "Shottky Diode" SchottlyDiode_STPS2H100A_SMA -786.699,-206.759 r90 top
D4 "Shottky Diode" SchottlyDiode_STPS2H100A_SMA -781.873,-206.759 r90 top
D5 "Shottky Diode" SchottlyDiode_STPS2H100A_SMA -777.174,-206.759 r90 top
D6 "Shottky Diode" SchottlyDiode_SMAJ58A_SMA -796.097,-206.759 r90 top
D7 "Shottky Diode" SchottlyDiode_STPS2H100A_SMA -830.26,-206.759 r90 top
D8 "Shottky Diode" SchottlyDiode_STPS2H100A_SMA -825.434,-206.759 r90 top
D9 "Shottky Diode" SchottlyDiode_STPS2H100A_SMA -820.735,-206.759 r90 top
D10 "Shottky Diode" SchottlyDiode_STPS2H100A_SMA -815.909,-206.759 r90 top
D11 "Shottky Diode" SchottlyDiode_STPS2H100A_SMA -394.015,-183.391 r90 top
D12 "Shottky Diode" SchottkyDiode_BAT46JFILM -459.42,-181.232 r0 top
D13 "Shottky Diode" SchottkyDiode_BAT46JFILM -510.22,-181.232 r0 top
D14 "ZenerDiode" ZenerDiode_DDZ6V8CSF-7_2-PIN -521.396,-180.978 r0 top
D15 "Shottky Diode" SchottkyDiode_BAT46JFILM -548.066,-181.232 r0 top
D16 "Shottky Diode" SchottkyDiode_BAT46JFILM -684.972,-181.232 r0 top
D17 "Shottky Diode" SchottkyDiode_BAT46JFILM -704.53,-181.232 r0 top
D18 "Shottky Diode" SchottkyDiode_BAT46JFILM -731.454,-181.232 r0 top
D19 "Shottky Diode" SchottkyDiode_RB751S40_2-PIN -671.256,-66.424 r90 top
D20 "Shottky Diode" SchottkyDiode_RB751S40_2-PIN -737.677,-52.708 r90 top
D21 "Shottky Diode" SchottkyDiode_RB751S40_2-PIN -731.835,-52.708 r90 top
D22 "ZenerDiode" ZenerDiode_BZX84-A3V0215_SOT23-3 -43.056,37.857 r0 top
D23 "Diode" Diode_DB2J31700L_2-PIN -753.933,-24.895 r90 top
D24 "Shottky Diode" SchottkyDiode_SS2P2-M384A_2-PIN -833.943,-24.768 r0 top
D25 "Diode" Diode_DB2J31700L_2-PIN -735.899,-3.686 r90 top
D26 "Shottky Diode" SchottkyDiode_SS2P2-M384A_2-PIN -807.527,-3.559 r0 top
D27 "Shottky Diode" SchottkyDiode_MBR0520-TP_SOD-123 -783.905,16.888 r90 top
D28 "Shottky Diode" SchottkyDiode_MBR130T1G_SOD-123 -836.61,16.888 r90 top
D29 "Shottky Diode" SchottkyDiode_RB751S40_2-PIN -529.27,125.219 r90 top
D30 "QuadESDDiode_TEConnectivity_SESD0802Q4UG" QuadESDDiode_TEConnectivity_SESD0802Q4UG_5-PIN -584.388,125.092 r90 top
D31 "QuadESDDiode_TEConnectivity_SESD0802Q4UG" QuadESDDiode_TEConnectivity_SESD0802Q4UG_5-PIN -836.991,125.092 r90 top
FB1 "FB0805" Inductor0805(2012) -828.99,182.877 r0 top
FB2 "FB0805" Inductor0805(2012) -556.321,-256.797 r90 top
FB3 "FB0805" Inductor0805(2012) -773.11,-205.108 r90 top
FB4 "FB0805" Inductor0805(2012) -836.864,-205.108 r90 top
FB5 "FerriteBead" Inductor0201(0603) -757.616,58.29 r90 top
FB6 "FerriteBead" Inductor0201(0603) -780.73,67.688 r90 top
FB7 "FerriteBead" Inductor0201(0603) -577.768,91.765 r90 top
FB8 "FerriteBead" Inductor0201(0603) -603.168,91.765 r90 top
FB9 "FerriteBead" Inductor0201(0603) -597.326,91.765 r90 top
FB10 "FerriteBead" Inductor0201(0603) -591.484,91.765 r90 top
FB11 "FerriteBead" Inductor0201(0603) -584.372,91.765 r90 top
FB12 "FerriteBead" Inductor0201(0603) -625.012,91.765 r90 top
FB13 "FerriteBead" Inductor0402(1005) -646.348,91.638 r90 top
FB14 "FerriteBead" Inductor0201(0603) -683.051,91.765 r90 top
FB15 "FerriteBead" Inductor0201(0603) -697.529,91.765 r90 top
FB16 "FerriteBead" Inductor0201(0603) -719.119,91.765 r90 top
FB17 "FerriteBead" Inductor0201(0603) -726.231,91.765 r90 top
FB18 "FerriteBead" Inductor0201(0603) -733.343,91.765 r90 top
FB19 "FerriteBead" Inductor0201(0603) -775.761,91.765 r90 top
FB20 "FerriteBead" Inductor0201(0603) -797.351,91.765 r90 top
FB21 "FerriteBead" Inductor0201(0603) -782.619,91.765 r90 top
FB22 "FerriteBead" Inductor0201(0603) -855.009,91.765 r90 top
FB23 "FerriteBead" Inductor0201(0603) -847.643,91.765 r90 top
FB24 "FerriteBead" Inductor0402(1005) -891.204,91.638 r90 top
FB25 "FerriteBead" Inductor0603(1608) -738.947,109.725 r90 top
FB26 "FerriteBead" Inductor0603(1608) -775.269,109.725 r90 top
FB27 "FB0805" Inductor0805(2012) -662.239,124.838 r90 top
FB28 "FB0805" Inductor0805(2012) -654.873,124.838 r90 top
J1 "Header 7X2" JTAG_Header_7X2_Sullins_SBH11-NBPC-D07-SM-BK -774.125,138.875 r90 top
J4 "BarrelJack" BarrelJack_PJ-028-SMT -819.338,44.828 r0 top
J7 "SD_CARD_KYOCERA" SD_Card_Conn_KYOCERA_145638009511859+ -717.6,157 r270 top